# Allegro board HY_IP5328_V11_211230.brd
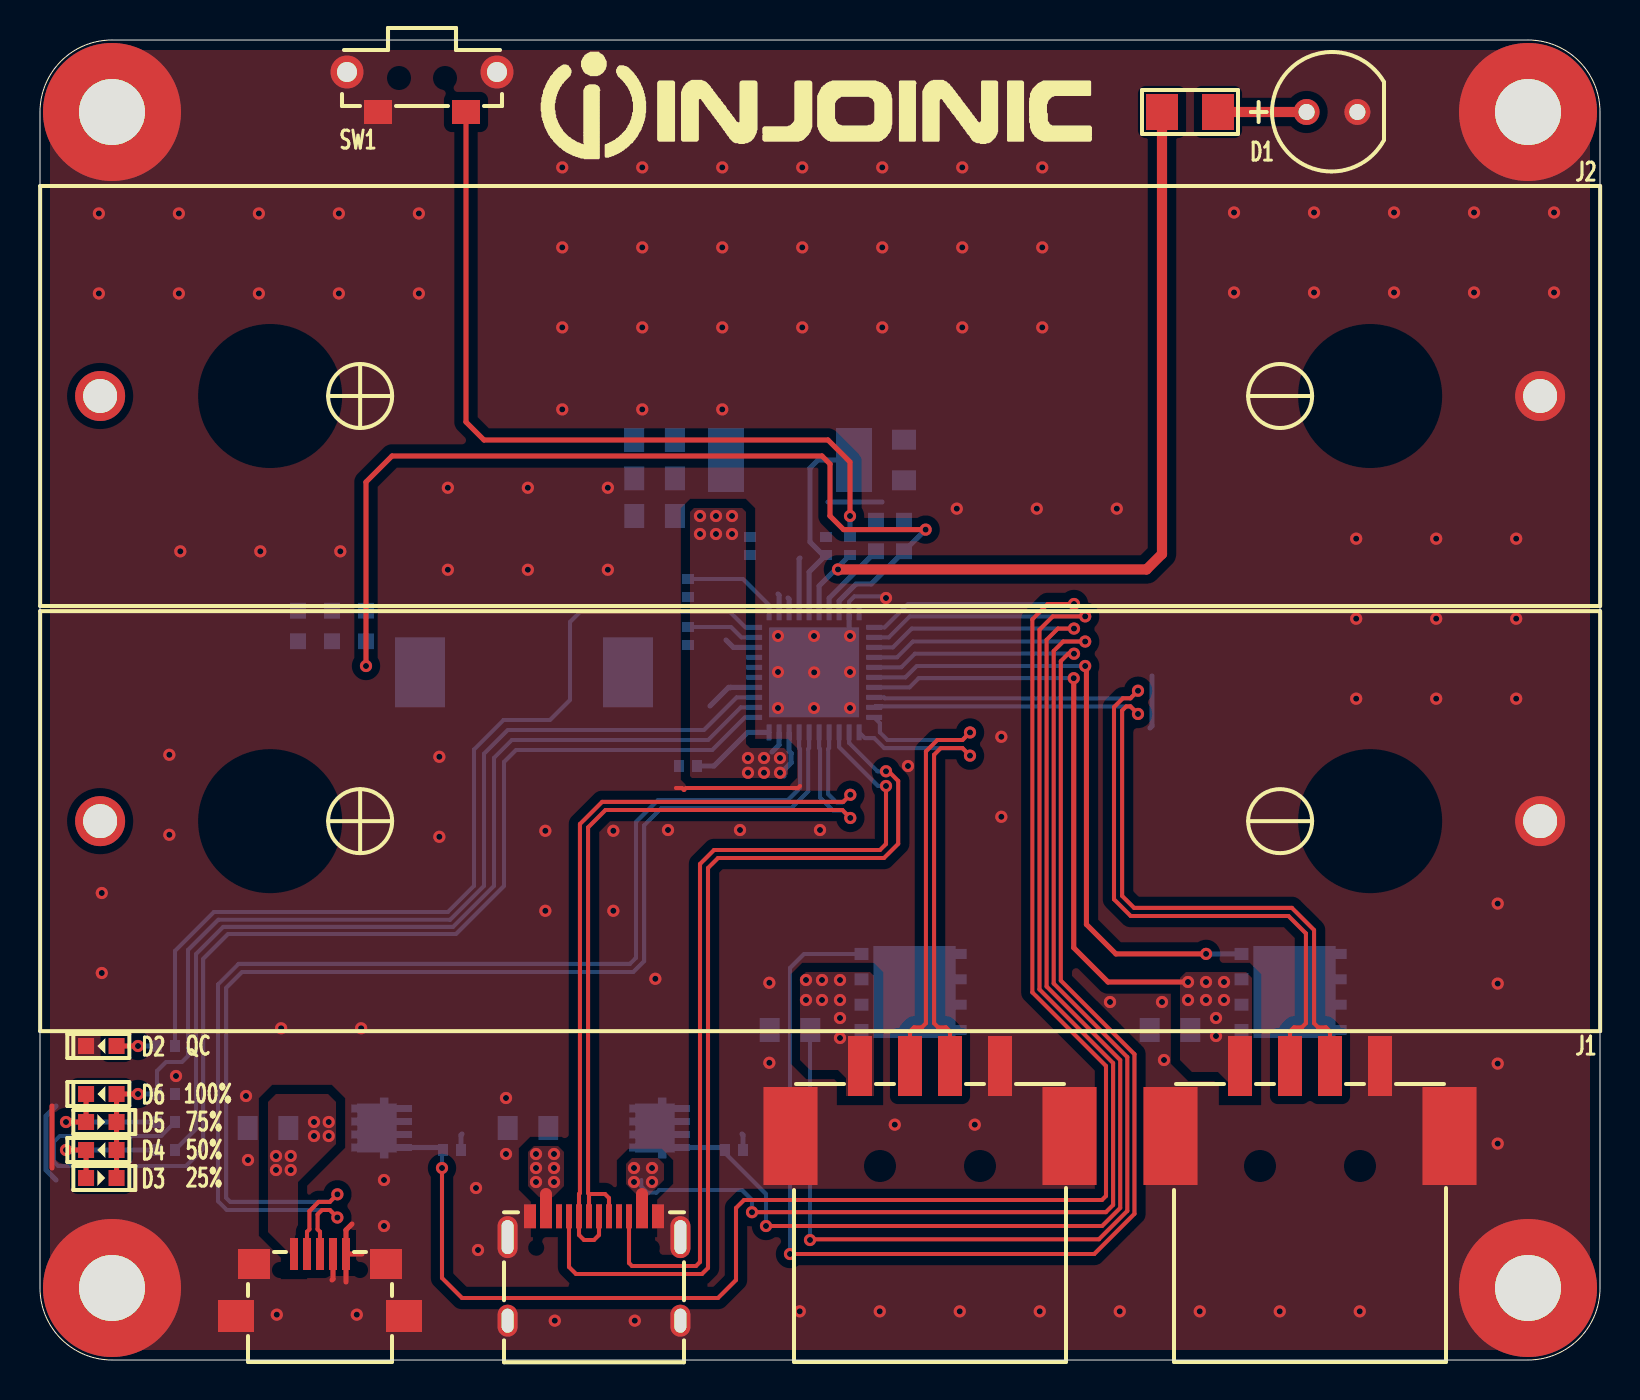
[diagram p0: board, top side]
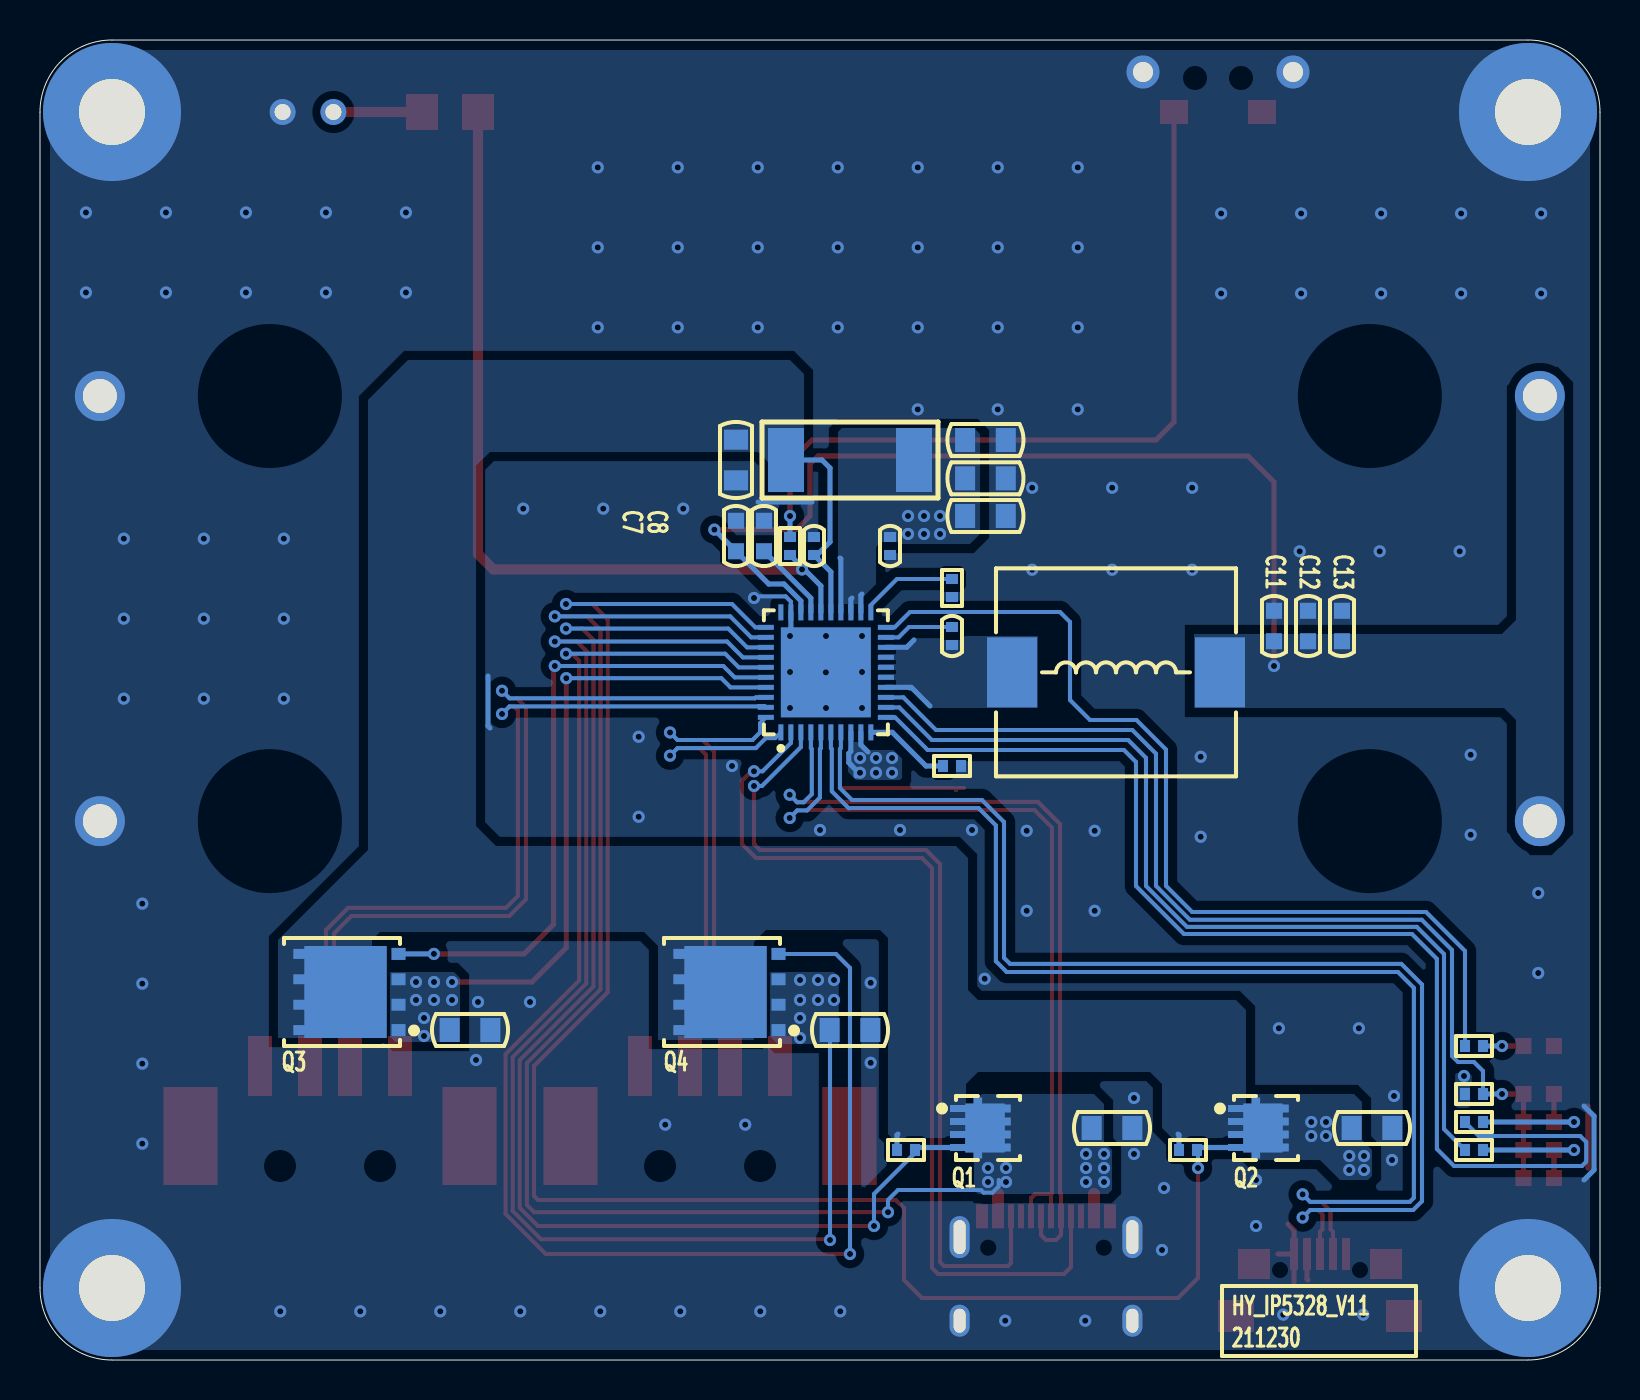
[diagram p1: board, bottom side, seen from below]

Outline 78 x 66 mm; copper layers: TOP, BOTTOM. Coordinates in mm from the lower left corner of the outline.
Outline path: 0,62.4 arc(1.05,64.95) 3.6,66 74.4,66 arc(76.95,64.95) 78,62.4 78,3.6 arc(76.95,1.05) 74.4,0 3.6,0 arc(1.05,1.05) 0,3.6 0,62.4

## Design rules (mm)
constraint set DEFAULT: min track width 0.203, pair gap 0.203
net group DP1: nets DMB DPB
net group DP2: nets DMC DPC
net group DP3: nets DMA1 DPA1
net group DP4: nets DMA2 DPA2

## Placement (name value [footprint] x y rotation side)
C1  22uF_25V  [C0805]  43.2 45 270 bottom
C2  100nF_50V  [C0402]  39.3 40.7 270 bottom
C3  100nF_50V  [C0402]  35.5 40.7 90 bottom
C4  22uF_25V  [C0805]  30.73 46 180 bottom
C5  22uF_25V  [C0805]  30.73 44.08 180 bottom
C6  22uF_25V  [C0805]  30.73 42.2 180 bottom
C7  10uF_10V  [C0603]  43.2 41.2 270 bottom
C8  10uF_10V  [C0603]  41.8 41.2 270 bottom
C9  100nF_50V  [C0402]  32.4 36.2 90 bottom
C10  10uF_25V  [C0805]  24.4 11.6 180 bottom
C11  10uF_10V  [C0603]  16.3 36.7 90 bottom
C12  10uF_10V  [C0603]  14.6 36.7 90 bottom
C13  10uF_10V  [C0603]  12.9 36.7 90 bottom
C14  10uF_25V  [C0805]  11.4 11.6 180 bottom
C15  10uF_25V  [C0805]  56.5 16.5 180 bottom
C16  10uF_25V  [C0805]  37.5 16.5 180 bottom
D1  LED_GREEN  [LED-5R0X5R0]  64.6 62.4 0 top
D2  GRERN-0603  [LED0603]  3.07 15.7 180 top
D3  GRERN-0603  [LED0603]  3.07 9.1 0 top
D4  GRERN-0603  [LED0603]  3.07 10.5 180 top
D5  GRERN-0603  [LED0603]  3.07 11.9 0 top
D6  GRERN-0603  [LED0603]  3.07 13.3 180 top
J1  -  [18650_1CELL_SOCKET]  39.01 26.94 0 top
J2  -  [18650_1CELL_SOCKET]  39.01 48.2 0 top
L1  SMMS1040-1R5M  [L10040]  24.2 34.38 180 bottom
MH3  HOLD-M3/NI  [HOLD6R90X3R40]  74.4 3.6 0 top
MH4  HOLD-M3/NI  [HOLD6R90X3R40]  74.4 62.4 0 top
MH5  HOLD-M3/NI  [HOLD6R90X3R40]  3.6 62.4 0 top
MH6  HOLD-M3/NI  [HOLD6R90X3R40]  3.6 3.6 0 top
NOREF  -  []  0 0 0 top
NOREF#2  -  []  0 0 90 top
Q1  WSD30L40DN  [DFN3X3]  30.6 11.6 270 bottom
Q2  WSD30L40DN  [DFN3X3]  16.7 11.6 270 bottom
Q3  WSD30100DN  [DFN5X6]  62.9 18.4 90 bottom
Q4  WSD30100DN  [DFN5X6]  43.9 18.4 90 bottom
R1  0R01  [R2512]  37.5 45 0 bottom
R2  20R  [R1206]  57.5 62.4 0 top
R3  1K  [R0402]  40.5 40.7 270 bottom
R4  1K  [R0402]  32.4 38.6 270 bottom
R5  10K  [R0402]  6.3 15.7 180 bottom
R6  10K  [R0402]  34.7 10.5 0 bottom
R7  0R/NI  [R0402]  6.3 13.3 0 bottom
R8  10K  [R0402]  6.3 10.5 180 bottom
R9  10K  [R0402]  6.3 11.9 180 bottom
R10  51K  [R0402]  32.4 29.7 180 bottom
R11  10K  [R0402]  20.6 10.5 0 bottom
SW1  -  [K2-1112SW-A4SW-04]  19.1 64.1 0 top
U1  IP5328P  [QFN40-6X6X0R5-4R6X4R6]  38.71 34.38 180 bottom
USB1  -  [TYPE-C-31-M-12]  27.7 7.18 0 top
USB2  USB-MICRO  [USB-U-F-M5SS-W-1]  14 2.2 0 top
USB3  USB-A/NI  [USB-A-SMD]  63.5 13.8 270 top
USB4  USB-A/NI  [USB-A-SMD]  44.5 13.8 270 top

## Library data of the parts
C1 C4-C8 C10-C16 = CAP NP_3
C2 C3 C9 = CAP NP_2
D1-D6 = LED_2
J1 J2 = 18650-HOLDER
L1 = IND_BEAD_0805_600OHM_1
MH3-MH6 = Hold_1
Q1 Q2 = SI4497DY-T1-GE3_0
Q3 Q4 = SI4497DY-T1-GE3_2
R1-R11 = R_Generic
SW1 = SWITCH-SPST-4P
U1 = IP5328P_0
USB1 = TYPE-C_16P
USB2 = USB-MICRO
USB3 USB4 = USB-A

## Footprints (pads in the part's own frame, mm; a bottom-side part is the same pattern mirrored in y, then rotated)
18650_1CELL_SOCKET
  round 2.5 hole 1.7: 1(-36,0) 2(36,0)
C0402
  rect 0.5x0.6 smd: 1(-0.45,0) 2(0.45,0)
C0603
  rect 0.8x0.8 smd: 1(-0.762,0) 2(0.762,0)
C0805
  rect 1x1.2 smd: 1(-1.016,0) 2(1.016,0)
DFN3X3
  rect 0.35x0.8 smd: 1(-0.975,-1.5) 2(-0.325,-1.5) 3(0.325,-1.5) 4(0.975,-1.5)
  custom 3.05x2.28 smd: 5(0,0)
DFN5X6
  rect 0.6x0.7 smd: 1(-1.905,-2.825) 2(-0.635,-2.825) 3(0.635,-2.825) 4(1.905,-2.825)
  custom 4.6x4.67 smd: 5(0,0.1)
HOLD6R90X3R40
  round 6.9 hole 3.3: 1(0,0)
K2-1112SW-A4SW-04
  round 1.65 hole 1: 1(-3.75,0.3) 4(3.75,0.3)
  rect 1.4x1.2 smd: 2(-2.2,-1.7) 3(2.2,-1.7)
L10040
  rect 2.5x3.5 smd: 1(-5.2,0) 2(5.2,0)
LED0603
  rect 0.8x0.8 smd: 1(-0.762,0) 2(0.762,0)
LED-5R0X5R0
  round 1.3 hole 0.8: 1(-1.27,0) 2(1.27,0)
QFN40-6X6X0R5-4R6X4R6
  rect 0.25x0.8 smd: 1(-2.25,-3) 2(-1.75,-3) 3(-1.25,-3) 4(-0.75,-3) 5(-0.25,-3) 6(0.25,-3) 7(0.75,-3) 8(1.25,-3) 9(1.75,-3) 10(2.25,-3) 21(2.25,3) 22(1.75,3) 23(1.25,3) 24(0.75,3) 25(0.25,3) 26(-0.25,3) 27(-0.75,3) 28(-1.25,3) 29(-1.75,3) 30(-2.25,3)
  rect 0.8x0.25 smd: 11(3,-2.25) 12(3,-1.75) 13(3,-1.25) 14(3,-0.75) 15(3,-0.25) 16(3,0.25) 17(3,0.75) 18(3,1.25) 19(3,1.75) 20(3,2.25) 31(-3,2.25) 32(-3,1.75) 33(-3,1.25) 34(-3,0.75) 35(-3,0.25) 36(-3,-0.25) 37(-3,-0.75) 38(-3,-1.25) 39(-3,-1.75) 40(-3,-2.25)
  rect 4.5x4.5 smd: 41(0,0)
R0402
  rect 0.5x0.6 smd: 1(-0.45,0) 2(0.45,0)
R1206
  rect 1.6x1.8 smd: 1(-1.4,0) 2(1.4,0)
R2512
  rect 1.8x3.2 smd: 1(-3.2,0) 2(3.2,0)
TYPE-C-31-M-12
  rect 0.6x1.2 smd: 1(-3.2,0) 2(-2.4,0) 11(2.4,0) 12(3.2,0)
  rect 0.3x1.2 smd: 3(-1.75,0) 4(-1.25,0) 5(-0.75,0) 6(-0.25,0) 7(0.25,0) 8(0.75,0) 9(1.25,0) 10(1.75,0)
  oval 1x2.1 hole 0.6x1.7: 13(-4.32,-1.04) 14(4.32,-1.04)
  oval 1x1.6 hole 0.6x1.2: 15(-4.32,-5.22) 16(4.32,-5.22)
USB-A-SMD
  rect 3x1.2 smd: 1(-0.9,-3.5) 2(-0.9,-1) 3(-0.9,1) 4(-0.9,3.5)
  rect 4.9x2.7 smd: 5(2.6,-6.975) 6(2.6,6.975)
USB-U-F-M5SS-W-1
  rect 0.4x1.6 smd: 1(-1.3,3.1) 2(-0.65,3.1) 3(0,3.1) 4(0.65,3.1) 5(1.3,3.1)
  rect 1.6x1.5 smd: 6(-3.3,2.6) 7(3.3,2.6)
  rect 1.8x1.6 smd: 8(-4.2,0) 9(4.2,0)

## Nets
GND: C1.2 C2.1 C3.1 C4.2 C5.2 C6.2 C7.1 C8.1 C10.2 C11.2 C12.2 C13.2 C14.2 C15.2 C16.2 D1.2(CATHODE) D2.2(CATHODE) J1.2(B-) J2.2(B-) MH3.1 MH4.1 MH5.1 MH6.1 R4.2 R7.2 R10.2 SW1.1 SW1.2 SW1.4 U1.29 U1.41 USB1.1 USB1.12 USB1.13 USB1.14 USB1.15 USB1.16 USB2.4 USB2.5 USB2.6 USB2.7 USB2.8 USB2.9 USB3.4 USB3.5 USB3.6 USB4.4 USB4.5 USB4.6
VBUSG: Q1.4 R6.1 U1.33
VCC_VBAT: C7.2 C11.1 C12.1 C13.1 J1.1 J2.1 L1.2(B) U1.28
VCC_VBUS: C10.1 Q1.5 U1.32 USB1.2 USB1.11(VBUS2)
VCC_VIN: C14.1 Q2.5 USB2.1(VBUS)
VCC_VMID: C1.1 C2.2 Q1.1 Q1.2 Q1.3(S3) Q2.1 Q2.2 Q2.3(S3) Q3.5 Q4.5 R1.2 R6.2 R11.2 U1.25
VCC_VOUT1: C15.1 Q3.1 Q3.2 Q3.3(S3) U1.37 USB3.1(VBUS)
VCC_VOUT2: C16.1 Q4.1 Q4.2 Q4.3(S3) U1.34 USB4.1(VBUS)
VCC_VREG: C8.2 U1.27
VCC_VSYS: C3.2 C4.1 C5.1 C6.1 R1.1 U1.8 U1.9 U1.22 U1.23(VSYS_4) U1.24
VING: Q2.4 R11.1 U1.31
CC1: U1.2 USB1.4
CC2: U1.3 USB1.10
DMA1: U1.38 USB3.2
DMA2: U1.40 USB4.2
DMB: U1.6 USB2.2
DMC: U1.4 USB1.5 USB1.7
DPA1: U1.39 USB3.3
DPA2: U1.1 USB4.3
DPB: U1.7 USB2.3
DPC: U1.5 USB1.6 USB1.8
LIGHT: R5.1 U1.20
VOUT1G: Q3.4 U1.36
VOUT2G: Q4.4 U1.35
N17512253: R2.1 R3.2 U1.26
N17512311: R4.1 U1.21
N17512398: D2.1 R5.2
N17512435: C9.2 U1.19
N17512437: C9.1 L1.1 U1.14 U1.15 U1.16 U1.17 U1.18
N17512548: D3.2(CATHODE) D4.1 D5.2(CATHODE) D6.1 R7.1 U1.13
N17512579: R8.1 U1.12
N17512581: D3.1 D4.2(CATHODE) R8.2
N17512652: R9.1 U1.11
N17512673: D5.1 D6.2(CATHODE) R9.2
N17512708: R10.1 U1.10
N17556704: D1.1 R2.2
N17560275: R3.1 SW1.3

Pads without a net: U1 30; USB1 3 9

## Via types
v1: diameter 0.61, hole 0.305, TOP to BOTTOM, 203 vias

## Routing (per net, layer and track width the routed paths; a pad name or vN(x,y) marks a point on that pad's centre or on a via; arc(x,y) is an arc through that point)
GND: length 27.7
  TOP w0.203: 38,28.7 37.9,28.6 32.3,28.6 32.2,28.5 32.1,28.6 31.8,28.6
  TOP w0.254: 0.6,12.7 0.6,9.6 ; 14.6,4 14.65,4.05 USB2.4 ; USB2.5 16.1,5.3 ; USB2.5 15.3,3.9 ; USB2.5 15.3,6.5 15.6,6.8
  BOTTOM w0.203: v1(42.3,38.1) 42.22,38.18 40.72,38.18 40.46,37.92 U1.29
  BOTTOM w0.254: 55.5,31.6 55.6,31.7 55.6,34.2 ; 0.8,9 0.3,9.5 0.3,12.2 0.8,12.7 ; 39.4,42.9 42.1,42.9 ; U1.29 40.46,36.24 v1(40.5,36.2)
  vias: v1(2.94,57.33) v1(2.94,53.33) v1(3.09,23.35) v1(3.09,19.35) v1(6.47,30.26) v1(6.47,26.26) v1(6.8,14.2) v1(6.94,57.33) v1(6.94,53.33) v1(7.02,40.43) v1(10.3,13.2) v1(10.4,10) v1(10.94,57.33) v1(10.94,53.33) v1(11.02,40.43) v1(11.84,2.27) v1(12.06,16.59) v1(14.94,57.33) v1(14.94,53.33) v1(15.02,40.43) v1(15.84,2.27) v1(16.06,16.59) v1(17.2,9) v1(17.2,6.7) v1(18.94,57.33) v1(18.94,53.33) v1(19.97,30.16) v1(19.97,26.16) v1(20.39,43.61) v1(20.39,39.51) v1(21.8,8.6) v1(21.9,5.5) v1(23.3,13.1) v1(23.3,10.3) v1(24.39,43.61) v1(24.39,39.51) v1(25.27,26.46) v1(25.27,22.46) v1(25.74,1.97) v1(26.11,59.63) v1(26.11,55.63) v1(26.11,51.63) v1(26.11,47.53) v1(28.39,43.61) v1(28.39,39.51) v1(28.67,26.46) v1(28.67,22.46) v1(29.74,1.97) v1(30.11,59.63) v1(30.11,55.63) v1(30.11,51.63) v1(30.11,47.53) v1(30.77,19.06) v1(31.4,26.5) v1(34.11,59.63) v1(34.11,55.63) v1(34.11,51.63) v1(34.11,47.53) v1(35,26.5) v1(36.47,18.86) v1(36.47,14.86) v1(36.9,36.2) v1(36.9,34.4) v1(36.9,32.6) v1(37.99,2.43) v1(38.11,59.63) v1(38.11,55.63) v1(38.11,51.63) v1(38.7,36.2) v1(38.71,34.38) v1(38.7,32.6) v1(39,26.5) v1(40.5,34.4) v1(40.5,32.6) v1(41.99,2.43) v1(42.11,59.63) v1(42.11,55.63) v1(42.11,51.63) v1(42.74,11.77) v1(43.4,29.7) v1(45.84,42.57) v1(45.99,2.43) v1(46.11,59.63) v1(46.11,55.63) v1(46.11,51.63) v1(46.74,11.77) v1(48.07,31.16) v1(48.07,27.16) v1(49.84,42.57) v1(49.99,2.43) v1(50.11,59.63) v1(50.11,55.63) v1(50.11,51.63) v1(53.5,17.9) v1(53.84,42.57) v1(53.99,2.43) v1(56.1,17.9) v1(56.2,15) v1(57.99,2.43) v1(59.7,57.38) v1(59.7,53.38) v1(61.99,2.43) v1(63.7,57.38) v1(63.7,53.38) v1(65.81,41.07) v1(65.81,37.07) v1(65.81,33.07) v1(65.99,2.43) v1(67.7,57.38) v1(67.7,53.38) v1(69.81,41.07) v1(69.81,37.07) v1(69.81,33.07) v1(71.7,57.38) v1(71.7,53.38) v1(72.89,22.82) v1(72.89,18.82) v1(72.89,14.82) v1(72.89,10.82) v1(73.81,41.07) v1(73.81,37.07) v1(73.81,33.07) v1(75.7,57.38) v1(75.7,53.38)
VBUSG: length 66.9
  TOP w0.203: v1(51.7,36.57) 50.89,36.57 50.33,36.01 50.33,18.68 54.01,14.99 54.01,7.61 53.11,6.7 v1(36.3,6.7)
  BOTTOM w0.203: v1(51.7,36.57) 43.59,36.57 42.65,35.63 U1.33 ; R6.1 34.25,10.35 36.3,8.3 v1(36.3,6.7)
  BOTTOM w0.254: R6.1 34.12,10.62 Q1.4
VCC_VBAT: length 47.1
  TOP w0.254: v1(16.3,34.7) 16.3,43.9 17.6,45.2 39.1,45.2 39.5,44.8 39.5,42.2 40.18,41.52 v1(44.28,41.52)
  BOTTOM w0.254: U1.28 39.96,37.96 40.8,38.8 41.56,38.8 C7.2 v1(44.28,41.52)
VCC_VBUS: length 71.1
  TOP w0.203: v1(35.6,7.39) 53.29,7.39 53.66,7.75 53.66,14.85 49.97,18.53 49.97,36.51 50.64,37.18 v1(52.26,37.18)
  TOP w0.6: USB1.11 30.1,8.3 ; USB1.2 25.3,8.3
  BOTTOM w0.203: v1(52.26,37.18) 43.49,37.18 42.44,36.13 U1.32 ; v1(35.6,7.39) 35.6,8 35.1,8.5 30.95,8.5 30.82,8.37 30.38,8.37 30.07,8.68 30.07,9
  vias: v1(24.8,10.3) v1(24.8,9.6) v1(24.8,8.9) v1(25.7,10.3) v1(25.7,9.6) v1(25.7,8.9) v1(29.7,9.6) v1(29.7,8.9) v1(30.6,9.6) v1(30.6,8.9)
VCC_VIN:
  vias: v1(11.8,10.2) v1(11.8,9.5) v1(12.54,10.2) v1(12.54,9.5) v1(13.7,11.9) v1(13.7,11.2) v1(14.44,11.9) v1(14.44,11.2)
VCC_VMID: length 12
  BOTTOM w0.254: U1.25 38.46,39.41 C2.2 39.15,40.25 38.5,40.9 38.5,44.6 38.9,45 R1.2 ; 35.1,11.3 35.15,11.25 R6.2 ; 21.1,11.3 21.05,11.25 R11.2
VCC_VOUT1: length 30.1
  TOP w0.254: v1(51.69,34.09) 51.69,20.61 53.4,18.9 v1(57.4,18.9)
  BOTTOM w0.203: v1(51.69,34.09) 43.93,34.09 43.48,33.63 U1.37
  vias: v1(57.4,18) v1(58.3,18.9) v1(58.3,18) v1(58.8,17.1) v1(58.8,16.2) v1(59.2,18.9) v1(59.2,18)
VCC_VOUT2: length 69.1
  TOP w0.203: v1(38.5,6) 38.54,6.04 52.95,6.04 54.37,7.46 54.37,15.14 50.68,18.82 50.68,35.45 51.16,35.92 v1(52.26,35.92)
  BOTTOM w0.203: C16.1 38.5,16.48 v1(38.5,6) ; v1(52.26,35.92) 43.65,35.92 42.85,35.13 U1.34
  vias: v1(38.3,19) v1(38.3,18) v1(39.1,19) v1(39.1,18) v1(40,19) v1(40,18) v1(40,17.1) v1(40,16.1)
VCC_VREG: length 4
  BOTTOM w0.254: U1.27 39.46,38.09 C8.2
VCC_VSYS: length 7.9
  BOTTOM w0.254: U1.8 37.46,30.43 37.56,30.33 37.56,29.87 37.46,29.77 37.46,29.76 37.2,29.5 37.2,29.2 ; 38,40.1 37.96,40.06 U1.24 ; 37.4,38.1 37.46,38.04 U1.23 ; 36.9,38.3 36.96,38.24 U1.22 ; 36.6,30.4 36.96,30.76 U1.9
  vias: v1(33,42.2) v1(33,41.3) v1(33.8,42.2) v1(33.8,41.3) v1(34.6,42.2) v1(34.6,41.3) v1(35.4,30.1) v1(35.4,29.36) v1(36.2,30.1) v1(36.2,29.36) v1(37,30.1) v1(37,29.36)
VING: length 89.5
  TOP w0.203: v1(51.7,37.8) 50.38,37.8 49.62,37.04 49.62,18.38 53.3,14.7 53.3,8.2 53.1,8 35.2,8 34.8,7.6 34.8,4 33.9,3.1 21.1,3.1 20.1,4.1 v1(20.1,9.6)
  BOTTOM w0.203: U1.31 42.23,36.63 43.4,37.8 v1(51.7,37.8) ; R11.1 20.1,10.45 v1(20.1,9.6)
  BOTTOM w0.254: R11.1 20.02,10.62 Q2.4
CC1: length 46.7
  TOP w0.203: USB1.4 26.45,4.65 26.8,4.3 33.1,4.3 33.4,4.6 33.4,24.6 33.9,25.1 42.2,25.1 42.91,25.81 42.91,28.95 42.43,29.44 v1(42.3,29.44)
  BOTTOM w0.203: v1(42.3,29.44) 41.87,29.44 40.46,30.85 U1.2
CC2: length 42.4
  TOP w0.203: v1(42.3,28.7) 42.3,25.8 42,25.5 33.7,25.5 33,24.8 33,4.9 32.8,4.7 29.6,4.7 29.45,4.85 USB1.10
  BOTTOM w0.203: U1.3 39.96,30.64 41.9,28.7 v1(42.3,28.7)
DMA1: length 42
  TOP w0.203: USB3.2 62.5,16.43 62.7,16.63 63.09,16.63 63.3,16.84 63.3,21.33 62.43,22.2 54.53,22.2 53.7,23.03 53.7,32.64 54.14,33.09 54.52,33.09 v1(54.9,33.46)
  BOTTOM w0.203: v1(54.9,33.46) 54.52,33.09 42.25,33.09 42.2,33.13 U1.38
DMA2: length 24.6
  TOP w0.203: v1(46.5,31.38) 46.12,31 44.87,31 44.3,30.43 44.3,16.84 44.09,16.63 43.7,16.63 43.5,16.43 USB4.2
  BOTTOM w0.203: v1(46.5,31.38) 46.12,31 42.38,31 41.99,31.38 41.99,31.85 U1.40
DMB: length 60.4
  TOP w0.203: v1(14.87,8.28) 14.49,7.91 13.93,7.91 13.47,7.45 13.47,6.53 13.35,6.41 USB2.2
  BOTTOM w0.203: U1.6 38.46,30.6 38.41,30.55 38.41,28.43 37.57,27.59 31.07,27.59 30.21,26.73 30.21,19.94 29.67,19.4 10.1,19.4 9.31,18.61 9.31,8.11 9.51,7.91 14.49,7.91 v1(14.87,8.28)
DMC: length 41.4
  TOP w0.203: v1(40.52,28.26) 40.16,27.91 28.11,27.91 27,26.8 27,8.35 26.95,8.3 USB1.5 26.95,6.25 27.2,6 27.7,6 27.95,6.25 USB1.7
  BOTTOM w0.203: U1.4 39.46,30.6 39.41,30.55 39.41,28.29 39.82,27.88 40.14,27.88 v1(40.52,28.26)
DPA1: length 41.4
  TOP w0.203: USB3.3 64.5,16.43 64.3,16.63 63.91,16.63 63.7,16.84 63.7,21.5 62.59,22.61 54.7,22.61 54.11,23.2 54.11,32.48 54.31,32.68 54.52,32.68 v1(54.9,32.3)
  BOTTOM w0.203: U1.39 41.77,32.7 42.06,32.7 42.08,32.68 54.52,32.68 v1(54.9,32.3)
DPA2: length 24.2
  TOP w0.203: USB4.3 45.5,16.43 45.3,16.63 44.91,16.63 44.7,16.84 44.7,30.26 45.04,30.59 46.12,30.59 v1(46.5,30.22)
  BOTTOM w0.203: U1.1 41.24,31.1 41.71,31.1 42.21,30.59 46.12,30.59 v1(46.5,30.22)
DPB: length 60.4
  TOP w0.203: v1(14.87,7.12) 14.49,7.5 14.1,7.5 13.88,7.28 13.88,6.53 14,6.41 USB2.3
  BOTTOM w0.203: U1.7 37.96,30.6 38,30.55 38,28.6 37.4,28 30.9,28 29.8,26.9 29.8,20.11 29.5,19.81 9.93,19.81 8.9,18.77 8.9,7.94 9.34,7.5 14.49,7.5 v1(14.87,7.12)
DPC: length 40.3
  TOP w0.203: 27.45,8.3 27.4,8.35 27.4,26.63 28.27,27.5 40.12,27.5 v1(40.52,27.1) ; 27.45,8.3 28.25,8.3 28.45,8.1 USB1.8 ; 27.45,8.3 USB1.6
  BOTTOM w0.203: v1(40.52,27.1) 40.14,27.48 39.65,27.48 39,28.12 39,30.55 38.96,30.6 U1.5
LIGHT: length 47.3
  BOTTOM w0.203: U1.20 35.27,36.63 34.5,37.4 27,37.4 26.5,36.9 26.5,33 25.5,32 23.18,32 21.7,30.52 21.7,23.71 20.39,22.4 8.7,22.4 6.75,20.45 R5.1
VOUT1G: length 32.1
  TOP w0.254: v1(58.3,20.3) 53.8,20.3 52.32,21.78 52.32,34.64 v1(52.26,34.7)
  BOTTOM w0.203: v1(52.26,34.7) 43.84,34.7 43.27,34.13 U1.36
  BOTTOM w0.254: 60.08,20.3 v1(58.3,20.3)
VOUT2G: length 76.5
  TOP w0.203: v1(51.7,35.31) 51.41,35.31 51.04,34.94 51.04,18.97 54.72,15.29 54.72,7.31 52.71,5.3 v1(37.5,5.3)
  BOTTOM w0.203: 41.08,20.3 41.07,20.3 38.2,20.3 37.5,19.6 v1(37.5,5.3) ; v1(51.7,35.31) 43.74,35.31 43.06,34.63 U1.35
N17512253: length 42.2
  TOP w0.508: R2.1 56.1,40.3 55.33,39.53 v1(39.9,39.53)
  BOTTOM w0.254: R3.2 39.9,39.65 v1(39.9,39.53) 39.78,39.53 38.96,38.71 U1.26
N17512311: length 5
  BOTTOM w0.203: U1.21 36.46,37.74 35.15,39.05 R4.1
N17512398: length 2
  TOP w0.254: v1(4.9,15.7) D2.1
  BOTTOM w0.254: R5.2 v1(4.9,15.7)
N17512435: length 3.5
  BOTTOM w0.203: C9.2 34.55,36.65 35.07,36.13 U1.19
N17512437: length 4.2
  BOTTOM w0.254: 34.3,36 34.67,35.63 U1.18 ; 34.5,33.6 34.53,33.63 ; 34.53,33.63 34.43,33.63 33.5,32.7 ; 34.53,33.63 U1.14
N17512548: length 51.9
  TOP w0.254: D3.2 D4.1 D5.2 D6.1 v1(4.9,13.3)
  BOTTOM w0.203: R7.1 5.85,14.45 6.3,14.9 7.1,14.9 7.4,15.2 7.4,20.5 8.91,22.01 20.51,22.01 22.2,23.71 22.2,30.31 23.39,31.5 33.2,31.5 34.83,33.13 U1.13
  BOTTOM w0.254: R7.1 v1(4.9,13.3)
N17512579: length 47
  BOTTOM w0.203: U1.12 35.04,32.63 33.41,31 23.59,31 22.7,30.11 22.7,23.7 20.65,21.66 9.16,21.66 7.8,20.3 7.8,11.55 R8.1
N17512581: length 7
  TOP w0.254: D3.1 D4.2 v1(1.3,10.5)
  BOTTOM w0.254: v1(1.3,10.5) R8.2
N17512652: length 61.1
  BOTTOM w0.203: R9.1 6.75,11.89 6.06,11.2 0.99,11.2 0.69,10.9 0.69,9.91 0.9,9.7 7.3,9.7 8.16,10.56 8.16,20.06 9.4,21.3 20.8,21.3 23.2,23.7 23.2,29.9 23.8,30.5 33.61,30.5 35.25,32.13 U1.11
N17512673: length 7
  TOP w0.254: v1(1.3,11.9) D5.1 D6.2
  BOTTOM w0.254: v1(1.3,11.9) R9.2
N17512708: length 4.3
  BOTTOM w0.254: R10.1 33.7,29.7 35.38,31.38 U1.10
N17556704: length 4.4
  TOP w0.508: R2.2 D1.1
N17560275: length 39.3
  TOP w0.254: SW1.3 21.3,46.9 22.2,46 39.4,46 40.5,44.9 v1(40.5,42.2)
  BOTTOM w0.254: R3.1 v1(40.5,42.2)

## Copper pours and planes (outline as drawn; the poured copper is in the pictures)
GND on TOP: 77.5,3.6 76.59,1.41 74.4,0.5 3.6,0.5 1.41,1.41 0.5,3.6 0.5,62.4 1.41,64.59 3.6,65.5 74.4,65.5 76.59,64.59 77.5,62.4 ; 3 cut-outs
GND on BOTTOM: 77.5,3.6 76.59,1.41 74.4,0.5 3.6,0.5 1.41,1.41 0.5,3.6 0.5,62.4 1.41,64.59 3.6,65.5 74.4,65.5 76.59,64.59 77.5,62.4 ; 3 cut-outs
VCC_VBAT on BOTTOM: 1.8,48.7 1.8,26.5 2.6,25.7 3.3,25.7 4.2,26.6 4.2,32 4.8,32.6 20.3,32.6 20.3,36.3 4.9,36.3 4.2,37 4.2,48.5 3.5,49.2 2.3,49.2
VCC_VBUS on TOP: 29.8,6.6 29.8,8.3 29.3,8.8 29.3,9.8 29.6,10.1 30.9,10.1 31.2,9.8 31.2,9 30.4,8.2 30.4,6.6
VCC_VBUS on TOP: 25,6.6 25,8.1 24.4,8.7 24.4,10.4 24.7,10.7 25.9,10.7 26.2,10.4 26.2,8.7 25.6,8.1 25.6,6.6
VCC_VBUS on BOTTOM: 30.9,13.3 25.3,13.3 24.8,12.8 24.8,10.9 24.4,10.5 24.4,8.5 24.6,8.3 31.1,8.3 31.3,8.5 31.3,12.9
VCC_VIN on TOP: 12.9,4.5 12.9,8.9 14.8,10.8 14.8,12.9 14.4,13.3 11.8,13.3 11.4,12.9 11.4,6.4 12.5,5.3 12.5,4.5
VCC_VIN on BOTTOM: 17.3,13.3 12.3,13.3 11.9,12.9 11.9,11 11.4,10.5 11.4,9.2 11.6,9 13,9 14,10 17.3,10 17.4,10.1 17.4,13.2
VCC_VMID on BOTTOM: 61.6,25.5 66.1,21 66.1,16.1 61.4,16.1 61.4,21 61,21.4 47.8,21.4 47.1,20.7 47.1,16 42.3,16 42.3,20.9 41.7,21.5 36,21.5 35.6,21.1 35.6,11.3 35.4,11.1 31.7,11.1 31.7,13.8 31.1,14.4 22.5,14.4 21.9,13.8 21.9,11.6 21.4,11.1 17.7,11.1 17.7,17.5 18.2,18 31.1,18 31.6,18.5 31.6,25.1 32.2,25.7 55.2,25.7 56.2,26.7 56.2,44.7 55.5,45.4 42.1,45.4 41.6,44.9 41.6,43.4 39.8,43.4 39.8,49.3 40.5,50 59.6,50 61.6,48
VCC_VOUT1 on TOP: 60.6,13.2 60.6,19.1 60.3,19.4 57.3,19.4 57,19.1 57,15 57.6,14.4 58.9,14.4 59.4,13.9 59.4,13.2
VCC_VOUT1 on BOTTOM: 57,15.9 57,19.1 57.3,19.4 60.5,19.4 60.5,16.2 60.2,15.9
VCC_VOUT2 on TOP: 41.7,13.2 41.7,19.2 41.5,19.4 38.3,19.4 38,19.1 38,15 38.5,14.5 39.9,14.5 40.3,14.1 40.3,13.2
VCC_VOUT2 on BOTTOM: 38,15.8 38,19.1 38.3,19.4 41.5,19.4 41.5,16.2 41.1,15.8
VCC_VSYS on TOP: 35.1,42.6 32.7,42.6 32.5,42.4 32.5,29.2 32.6,29.1 37.2,29.1 37.4,29.3 37.4,30.4 37.2,30.6 35.5,30.6 35.3,30.8 35.3,42.4
VCC_VSYS on BOTTOM: 37.3,31.8 37.6,31.8 37.6,29.4 37.2,29 35,29 34.9,29.1 34.9,30.1 35.3,30.5 36.6,30.5 36.8,30.7 36.8,31.8 37.1,31.8 37.1,30.9 37.3,30.9
VCC_VSYS on BOTTOM: 31.3,46.6 37.9,46.6 38.1,46.4 38.1,36.9 37.8,36.9 37.8,37.8 37.6,37.8 37.6,36.9 37.3,36.9 37.3,37.8 37.1,37.8 37.1,36.9 36.8,36.9 36.8,38.1 36.2,38.7 36.2,40.6 36,40.8 31.5,40.8 31,41.3 31,46.3
N17512437 on BOTTOM: 28.1,36.2 34.4,36.2 34.8,35.8 36.2,35.8 36.2,35.5 35.2,35.5 35.2,35.3 36.2,35.3 36.2,35 35.2,35 35.2,34.8 36.2,34.8 36.2,34.5 35.2,34.5 35.2,34.3 36.2,34.3 36.2,34 35.2,34 35.2,33.8 36.2,33.8 36.2,33.4 34.9,33.4 34.1,32.6 28.1,32.6

## Text on the board
Ref Des/Silkscreen Bottom: HY_IP5328_V11 | 211230
Ref Des/Silkscreen Top: 100% | QC | 75% | 50% | 25%
COMPVAL_TYPE_TOP: FIGURE | FINISHED_SIZE | 0.3048 | 0.8 | 1.0 | 1.7 | 3.3 | 1.2x0.6 | 1.7x0.6 | DRILL CHART: TOP to BOTTOM | ALL UNITS ARE IN MILLIMETERS | ROTATION | - | 90.000 | PLATED | QTY | 203 | 2 | 4 | 219 | TOTAL HOLES:
